# Altium PCB Lighting_Control_Board.PcbDoc (part 2 of 2) (continued)
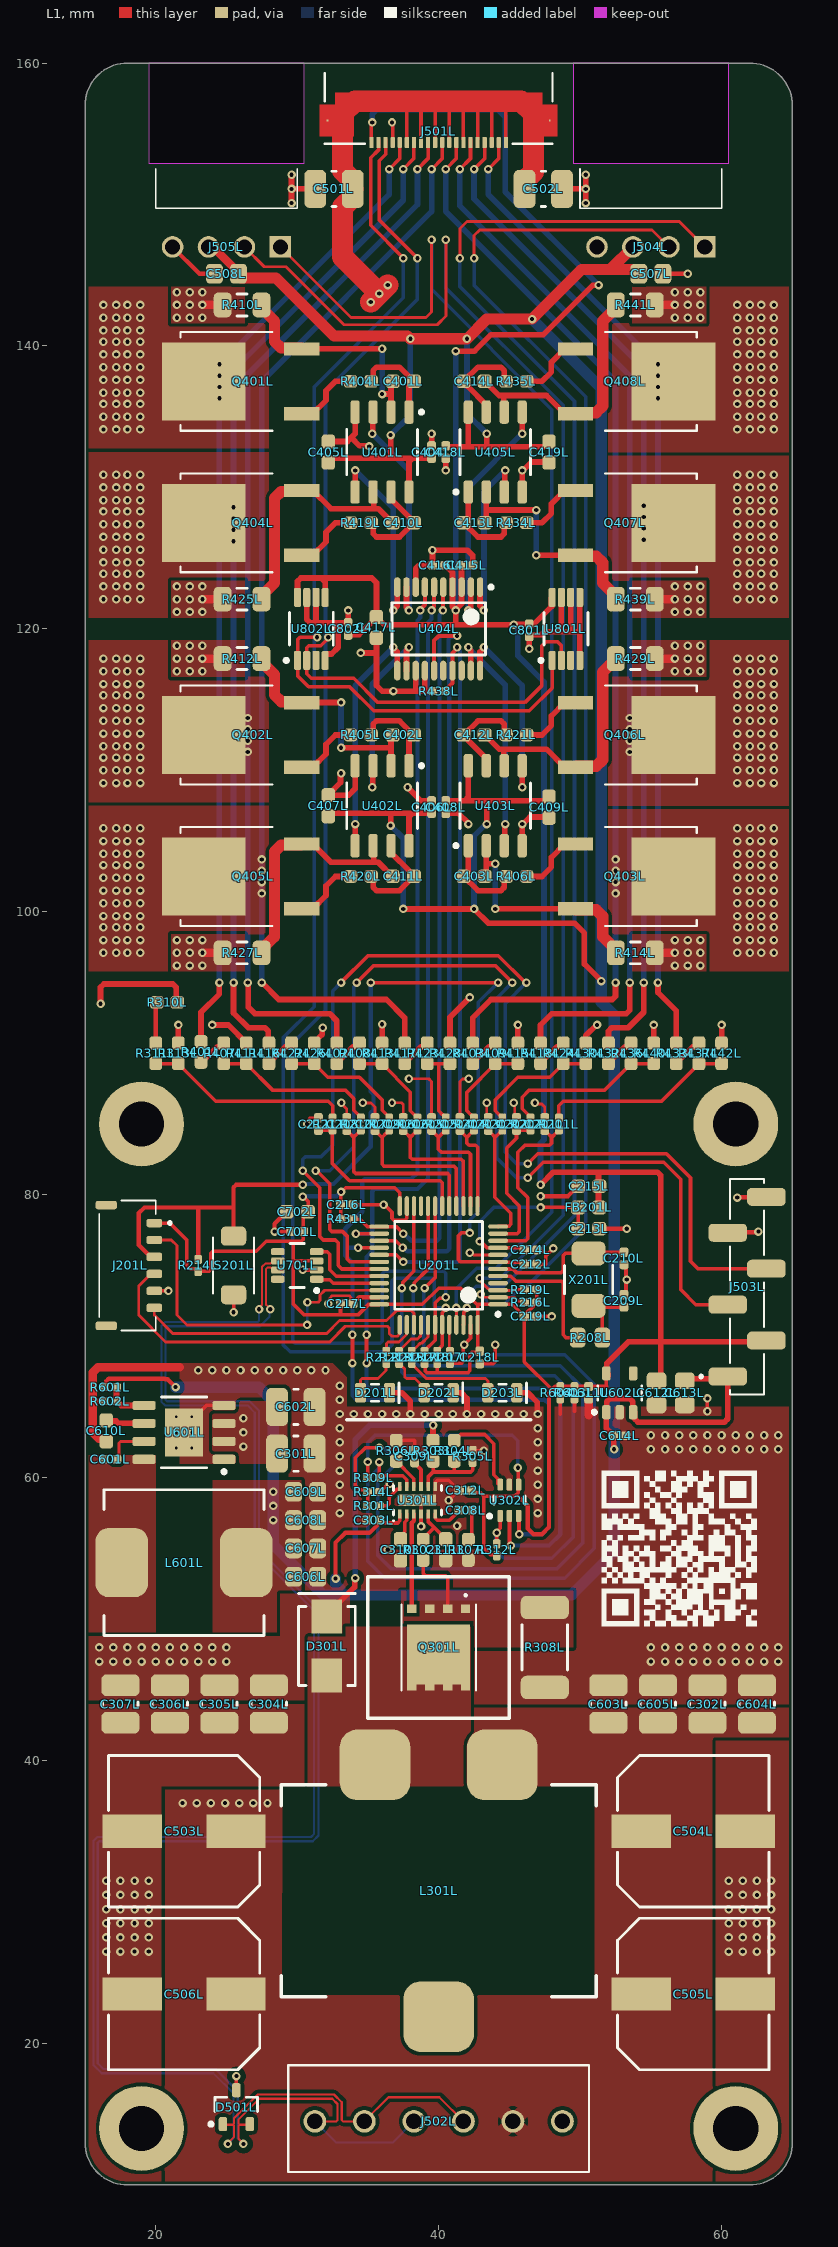
[diagram p0: L1 view]
## Nets (pads, with @x,y where several pads share a name; then routed paths per layer and width w, separated by ;. In a path a pad name is that pad's centre, name@x,y a point inside that pad or via, vN(x,y) a via of type N, cw(c..) or ccw(c..) an arc to the next point about the centre after c; other vN are vias at no path point) (continued)
CC_VSENSE_8: R201L.1 R437L.1 R442L.2 | length 13.6
  L1 w0.25: R201L.1@48.5,85.425 48.5,86.3 48.8,86.6 55.75,86.6 58.4,89.25 R437L.1@58.4,89.275 R442L.2@60,89.275
DAC_C\S\: R431L.1 U201L.25 U404L.5 | length 53
  L1 w0.25: R431L.1@33.925,78.3 33.966,78.259 34.434,78.259 34.943,77.75 37,77.75 v1(37.5,77.25)
  L1 w0.3: v1(40.3,121.3) 40.313,121.313 40.313,122.937 U404L.5@40.325,122.95
  L4 w0.3: v1(37.5,77.25) 37.561,77.25 38.061,76.75 39.874,76.75 40.05,76.926 40.05,120.969 40.3,121.219 v1(40.3,121.3)
DAC_L\D\A\C\: U201L.27 U404L.15 | length 53
  L1 w0.25: U201L.27@35.8,76.75 35.81,76.74 36.96,76.74 v1(37.45,76.25)
  L1 w0.3: U404L.15@39.675,117.05 39.675,119.175 40,119.5 v1(41.3,119.5)
  L4 w0.3: v1(37.45,76.25) 37.531,76.25 37.781,76 40.574,76 40.75,76.176 40.75,117.95 40.7,118 40.7,119.267 40.876,119.443 41.243,119.443 v1(41.3,119.5)
DAC_R\E\S\E\T\: R438L.2 U201L.29 U404L.17 | length 52.8
  L1 w0.25: U201L.29@35.8,75.75 37,75.75 v1(37.5,75.25)
  L1 w0.3: R438L.2@40.425,115.6 40.475,115.6 40.6,115.725 40.6,115.775 40.977,116.152 U404L.17@40.977,117.048 ; U404L.17@40.975,117.05 40.975,118.294 41.3,118.619 v1(41.3,118.7)
  L4 w0.3: v1(37.5,75.25) 41.324,75.25 41.5,75.426 41.5,118.419 41.3,118.619 v1(41.3,118.7)
Fan_1_PWM: J504L.1 U201L.46 | length 103.5
  L1 w0.2: v1(41.5,146.2) 41.5,148.3 42,148.8 57.01,148.8 J504L.1@58.81,147
  L1 w0.25: U201L.46@41.75,70.8 41.76,70.81 41.76,71.665 42,71.905 v1(42,72)
  L4 w0.25: v1(41.5,146.2) 41.5,144.2 49.6,136.1 49.6,78.513 44.612,73.525 42.662,73.525 42,72.863 v1(42,72)
Fan_1_Tach: J504L.2 R216L.1 U201L.2 | length 101.2
  L1 w0.2: v1(42.5,146.2) 42.5,147.8 42.9,148.2 55.07,148.2 J504L.2@56.27,147 ; v1(42.963,72.95) 43.008,72.95 43.2,72.758 44.192,72.758 U201L.2@44.2,72.75 45.35,72.75 45.616,72.484 45.991,72.484 R216L.1@46.075,72.4
  L4 w0.2: v1(42.963,72.95) 43.397,72.517 43.397,72.393 43.54,72.25 44.6,72.25 45.55,73.2
  L4 w0.25: v1(42.5,146.2) 42.5,144.3 50.4,136.4 50.4,77.687 45.913,73.2 45.55,73.2
Fan_2_PWM: J505L.1 U201L.45 | length 101.8
  L1 w0.2: J505L.1@28.81,147 33.81,142 39.1,142 39.5,142.4 v1(39.5,147.5) ; U201L.45@41.25,70.8 v1(41.25,72)
  L4 w0.25: v1(39.5,147.5) 39.5,144 48,135.5 48,78.75 44.05,74.8 42.7,74.8 41.25,73.35 v1(41.25,72)
Fan_2_Tach: J505L.2 R219L.1 U201L.3 | length 105.9
  L1 w0.2: J505L.2@26.27,147 27.67,145.6 29.2,145.6 33.3,141.5 39.9,141.5 40.517,142.117 40.517,147.483 v1(40.5,147.5) ; v1(42.9,74.1) 42.977,74.023 42.977,73.858 43.484,73.35 43.523,73.35 43.623,73.25 U201L.3@44.2,73.25 ; U201L.3@44.218,73.232 45.332,73.232 45.4,73.3 R219L.1@46.075,73.3
  L4 w0.25: v1(40.5,147.5) 40.5,144.1 48.8,135.8 48.8,93.9 48.8,78.55 44.35,74.1 v1(42.9,74.1)
GND: C201L.1 C202L.1 C203L.1 C204L.1 C205L.1 C206L.1 C207L.1 C208L.1 C209L.1 C210L.1 C211L.1 C212L.1 C213L.1 C214L.1 C215L.1 C216L.1 C217L.1 C218L.1 C219L.1 C301L.1 C302L.1 C303L.1 C304L.1 C305L.1 C306L.1 C307L.1 C309L.1 C310L.1 C311L.1 C312L.1 C404L.1 C405L.1 C406L.1 C407L.1 C408L.1 C409L.1 C415L.1 C416L.1 C417L.1 C418L.1 C419L.1 C501L.1 C502L.1 C503L.2 C504L.2 C505L.2 C506L.2 C507L.1 C508L.1 C602L.1 C603L.1 C604L.1 C605L.1 C606L.1 C607L.1 C608L.1 C609L.1 C610L.1 C611L.1 C612L.1 C613L.1 C614L.1 C701L.1 C702L.1 C801L.1 C802L.1 D201L.2 D202L.2 D203L.2 D501L.3 J201L.5 J501L.17 J502L.6 J503L.5 J503L.6 J504L.4 J505L.4 R207L.2 R305L.1 R306L.1 R307L.1 R308L.1 R313L.1 R314L.1 R410L.1 R411L.1 R412L.1 R413L.1 R414L.1 R415L.1 R425L.1 R426L.1 R427L.1 R428L.1 R429L.1 R430L.1 R438L.1 R439L.1 R440L.1 R441L.1 R442L.1 R602L.1 R603L.1 R604L.1 S201L.2 U201L.8 U201L.23 U201L.35 U201L.47 U301L.4 U301L.7 U301L.13 U302L.5 U401L.4 U402L.4 U403L.4 U404L.8 U404L.13 U404L.14 U405L.4 U601L.1 U601L.4 U601L.9 U602L.2 U701L.2 U801L.4 U801L.5 U801L.6 U801L.7 U802L.4 U802L.6 U802L.7 | length 205.4
  L1 w0.2: v1(30.7,85) 30.777,85.077 30.777,85.295 30.921,85.44 C211L.1@31.5,85.44 ; v1(32.2,72.3) 32.274,72.374 32.274,72.674 32.46,72.86 33.692,72.86 33.809,72.743 33.809,72.506 33.815,72.5 33.94,72.5 C217L.1@33.94,72.3 ; v1(33.126,86.5) 33.126,86.444 33.5,86.07 C208L.1@33.5,85.44 ; v1(34.626,86.5) 34.653,86.474 35.226,86.474 35.5,86.2 C207L.1@35.5,85.44 ; v1(36.7,86.5) 37.383,86.5 37.5,86.383 C206L.1@37.5,85.44 ; v1(37.9,88.2) 39.3,88.2 39.5,88 C205L.1@39.5,85.44 ; C204L.1@41.5,85.44 41.5,88 41.689,88.189 42.115,88.189 v1(42.126,88.2) ; v1(42.2,75.9) 42.308,75.9 42.458,75.75 U201L.8@44.2,75.75 ; v1(43.4,86.5) 43.4,85.54 C203L.1@43.5,85.44 ; v1(45.3,86.5) 45.377,86.423 45.377,85.563 C202L.1@45.5,85.44 ; v1(46.8,86.5) 46.877,86.423 47.287,86.423 47.5,86.21 C201L.1@47.5,85.44
  L1 w0.25: J201L.5@19.9,73.2 v1(20.9,73.2) ; U601L.9@22,63.2 22,63.545 23.56,65.105 U601L.4@24.825,65.105 ; v1(25.5,71.7) S201L.2@25.5,72.925 ; D501L.3@25.515,17.021 25.688,16.848 D501L.3@25.688,16.662 ; D501L.3@25.7,16.7 v1(25.7,17.7) ; C216L.1@33.94,79.3 36.169,79.3 36.7,78.769 36.7,78.346 36.846,78.2 37.604,78.2 37.75,78.346 U201L.23@37.75,79.2 ; R314L.1@35.825,59 35.882,59 36.369,59.487 36.491,59.487 v1(36.558,59.554) ; v1(36.7,155.8) 36.75,155.75 J501L.17@36.75,154.6 ; R306L.1@37,62.625 37.02,62.645 38.255,62.645 38.3,62.6 C309L.1@38.3,61.94 ; U301L.4@38.75,57.43 v1(38.751,56.55) v1(38.751,56.55) ; U301L.7@39.75,59.37 39.75,59.654 39.896,59.8 39.9,59.8 39.92,59.82 40.72,59.82 C312L.1@41.44,59.1 ; v1(40.7,58.4) 40.724,58.4 41.424,59.1 C312L.1@41.44,59.1 ; R207L.2@40.8,68.075 41.587,68.075 41.733,68.221 41.733,69.333 v1(41.8,69.4) 42.25,69.85 U201L.47@42.25,70.8 ; C312L.1@41.46,59.1 C312L.1@41.44,59.1 ; R305L.1@42.4,61.925 42.413,61.912 43.188,61.912 v1(43.2,61.9) ; C218L.1@42.9,68.06 43.854,68.06 44,68.206 v1(44,69.4) ; C219L.1@46.94,71.4 v1(48,71.4) ; C212L.1@46.94,75.1 47.57,75.1 47.57,75.67 ; C214L.1@46.94,76.1 47.036,76.004 47.424,76.004 47.57,75.858 47.57,75.67 ; v1(48.1,76.2) 47.57,75.67 ; 48.6,64.5 R604L.1@48.6,65.575 ; 49.6,64.7 R603L.1@49.6,65.575 ; v1(59,64.7) v1(59,65.6)
  L1 w0.3: J505L.4@21.19,147 23.09,145.1 C508L.1@24.15,145.1 ; C702L.1@29.25,78.8 28.4,77.95 v1(28.4,77.4) C701L.1@29.56,77.4 ; v1@30.412,74.688 U701L.2@31.363,74.688 ; C217L.1@33.94,72.3 33.957,72.3 34.117,72.46 34.117,72.477 34.39,72.75 U201L.35@35.8,72.75 ; v1(47.2,79.9) 49.15,79.9 C215L.1@49.85,80.6 ; C213L.1@51.35,77.6 v1(53.3,77.6) ; C209L.1@53.1,72.94 53.243,73.083 53.243,73.943 v1(53.3,74) 53.243,74.057 53.243,74.917 C210L.1@53.1,75.06 ; C507L.1@55.85,145.1 v1(57.6,145.1) ; J503L.5@60.135,77.31 60.18,77.355 62.555,77.355 v1(62.6,77.4) ; v1(61.1,79.8) 61.125,79.825 62.84,79.825 J503L.6@62.865,79.85
  L1 w0.4: 15.554,65.311 15.643,65.4 R602L.1@16.375,65.4 ; R313L.1@21.6,90.725 v1(21.6,92) ; v1(24,92) 25.136,92 26.4,90.736 R411L.1@26.4,90.725 ; v1(29.6,150.1) v1(29.6,151.1) ; v1(29.6,152.1) v1(29.6,151.1) ; v1(30.4,74.7) v1@30.412,74.688 ; U802L.7@30.675,122.225 30.675,120.674 30.909,120.44 31.4,120.44 ; R426L.1@31.2,90.725 31.2,90.764 31.762,91.325 31.762,91.762 v1(31.8,91.8) ; C501L.1@31.275,151.1 v1(29.6,151.1) ; U802L.6@31.325,122.225 31.325,120.515 31.4,120.44 ; U701L.2@31.363,74.688 U701L.2@31.375,74.675 ; U802L.4@31.975,117.775 31.975,118.175 32.025,118.225 32.425,118.225 32.9,118.7 32.9,120.1 32.56,120.44 ; C405L.1@32.2,133.25 33.55,133.25 33.823,133.523 ; 32.7,120.44 32.56,120.44 ; v1(33.1,109.8) 33.062,109.762 33.062,109.137 32.2,108.275 C407L.1@32.2,108.25 33.65,108.25 34.095,108.695 U402L.4@34.095,110.325 ; v1(33.6,121.3) C802L.1@33.6,120.44 32.56,120.44 ; U401L.4@34.095,135.325 34.095,133.795 33.823,133.523 ; v1(34.5,118.3) 35.6,118.3 ; v1(35.1,132.9) 35.062,132.938 34.407,132.938 33.823,133.523 ; C417L.1@35.6,119.35 35.6,118.3 ; R413L.1@36,90.725 v1(36,92.05) ; D201L.2@36.525,66 37.4,66 38,65.4 v1(38,64.5) ; v1(37.8,108.8) 38.76,107.84 C406L.1@39.5,107.84 ; 38.375,115.834 U404L.13@38.375,117.05 ; U404L.8@38.375,122.95 38.375,124.266 38.609,124.5 C416L.1@39.56,124.5 v1(39.56,125.56) 42.04,125.56 42.4,125.2 42.4,124.54 C415L.1@42.44,124.5 ; U404L.14@39.025,117.05 39.025,115.667 39.092,115.6 ; C404L.1@39.5,132.94 v1(39.5,133.8) ; R438L.1@39.575,115.6 39.092,115.6 ; C408L.1@40.5,106.96 41.41,106.96 42.062,106.308 42.062,106.238 v1(42.1,106.2) ; v1(40.5,131.2) C418L.1@40.5,132.06 ; R428L.1@40.8,90.725 40.8,92.55 v1(42.2,93.95) ; D202L.2@41.025,66 41.6,66 42,65.6 v1(42,64.5) ; D203L.2@45.525,66 46.3,66 46.962,65.338 46.962,64.538 v1(47,64.5) ; R415L.1@45.6,90.725 v1(45.6,92) ; U403L.4@45.905,104.675 v1(45.905,106.205) 45.959,106.205 46.454,106.7 47.75,106.7 C409L.1@47.8,106.65 ; U405L.4@45.905,129.675 45.902,129.678 45.902,131.197 v1(45.9,131.2) 45.954,131.2 46.554,131.8 47.528,131.8 47.638,131.69 47.638,131.588 C419L.1@47.8,131.75 ; v1(46.4,118.6) C801L.1@46.4,119.46 46.4,119.48 46.51,119.59 47.29,119.59 47.5,119.8 48.7,119.8 ; U801L.7@48.675,122.225 48.675,119.825 48.7,119.8 ; C502L.1@48.725,151.1 v1(50.4,151.1) ; U801L.6@49.325,122.225 49.325,119.825 49.3,119.8 ; U801L.4@49.975,117.775 49.975,119.8 ; U801L.5@49.975,122.225 49.975,119.8 ; R430L.1@50.4,90.725 50.4,91.25 51.15,92 v1(51.2,92) ; v1(50.4,150.1) v1(50.4,151.1) ; v1(50.4,152.1) v1(50.4,151.1) ; R440L.1@55.2,90.725 v1(55.2,92) ; R442L.1@60,90.725 v1(60,92) ; 31.4,120.44 32.56,120.44 ; 35.6,118.3 35.6,116 36,115.6 v1(36.8,115.6) 39.092,115.6 ; 48.7,119.8 49.3,119.8 ; 49.3,119.8 49.975,119.8
  L1 w0.6: C610L.1@16.5,62.55 16.5,62.575 16.325,62.75 15.976,62.75 15.554,63.172 15.554,65.311 15.554,67.449 15.905,67.8 21.7,67.8 ; v1(23.3,97.1) R427L.1@24.725,97.1 R427L.1@24.725,97.35 ; v1(23.3,117.9) R412L.1@24.725,117.9 R412L.1@24.725,117.65 ; v1(23.3,122.1) R425L.1@24.725,122.1 R425L.1@24.725,122.35 ; v1(23.3,142.9) R410L.1@24.725,142.9 R410L.1@24.725,142.65 ; 50.6,64.4 C611L.1@50.6,65.56 ; R414L.1@55.275,97.35 R414L.1@55.275,97.1 v1(56.7,97.1) ; R429L.1@55.275,117.65 R429L.1@55.275,117.9 v1(56.7,117.9) ; R439L.1@55.275,122.1 v1(56.7,122.1) ; R441L.1@55.275,142.65 R441L.1@55.275,142.9 v1(56.7,142.9) ; C612L.1@55.4,65.15 C612L.1@55.5,65.15
  other v1: 16.5,26.5 17.5,26.5 18.5,26.5 19.5,26.5 60.5,26.5 61.5,26.5 62.5,26.5 63.5,26.5 16.5,27.5 17.5,27.5 18.5,27.5 19.5,27.5 60.5,27.5 61.5,27.5 62.5,27.5 63.5,27.5 16.5,28.5 17.5,28.5 18.5,28.5 19.5,28.5 60.5,28.5 61.5,28.5 62.5,28.5 63.5,28.5 16.5,29.5 17.5,29.5 18.5,29.5 19.5,29.5 60.5,29.5 61.5,29.5 62.5,29.5 63.5,29.5 16.5,30.5 17.5,30.5 18.5,30.5 19.5,30.5 60.5,30.5 61.5,30.5 62.5,30.5 63.5,30.5 16.5,31.5 17.5,31.5 18.5,31.5 19.5,31.5 60.5,31.5 61.5,31.5 62.5,31.5 63.5,31.5 55,47 56,47 57,47 58,47 59,47 60,47 61,47 62,47 63,47 64,47 55,48 56,48 57,48 58,48 59,48 60,48 61,48 62,48 63,48 64,48 36.4,54.9 41.3,56.6 33,57.5 47,57.5 33,58.5 47,58.5 33,59.5 47,59.5 33,60.5 47,60.5 33,61.5 47,61.5 55,62 56,62 57,62 58,62 59,62 60,62 61,62 62,62 63,62 64,62 33,62.5 47,62.5 55,63 56,63 57,63 58,63 59,63 60,63 61,63 62,63 63,63 64,63 33,63.5 47,63.5 33,64.5 34,64.5 35,64.5 36,64.5 37,64.5 39,64.5 40,64.5 41,64.5 43,64.5 44,64.5 45,64.5 46,64.5 33,65.5 33,66.5 23,67.6 24,67.6 25,67.6 26,67.6 27,67.6 28,67.6 29,67.6 30,67.6 31,67.6 32,67.6 36.1,79.3 21.5,96.2 22.4,96.2 23.3,96.2 56.7,96.2 57.6,96.2 58.5,96.2 21.5,97.1 22.4,97.1 57.6,97.1 58.5,97.1 21.5,98 22.4,98 23.3,98 56.7,98 57.6,98 58.5,98 21.5,117 22.4,117 23.3,117 56.7,117 57.6,117 58.5,117 21.5,117.9 22.4,117.9 57.6,117.9 58.5,117.9 21.5,118.8 22.4,118.8 23.3,118.8 56.7,118.8 57.6,118.8 58.5,118.8 21.5,121.2 22.4,121.2 23.3,121.2 56.7,121.2 57.6,121.2 58.5,121.2 21.5,122.1 22.4,122.1 57.6,122.1 58.5,122.1 21.5,123 22.4,123 23.3,123 56.7,123 57.6,123 58.5,123 21.5,142 22.4,142 23.3,142 56.7,142 57.6,142 58.5,142 21.5,142.9 22.4,142.9 57.6,142.9 58.5,142.9 21.5,143.8 22.4,143.8 23.3,143.8 56.7,143.8 57.6,143.8 58.5,143.8
  other v2: 21.45,62.1 22.55,62.1 21.45,63.2 22.55,63.2 21.45,64.3 22.55,64.3
HVIN: C301L.2 C302L.2 C503L.1 C504L.1 C505L.1 C506L.1 C602L.2 C603L.2 C604L.2 C605L.2 J502L.5 L301L.1 U601L.2 U601L.3
  other v1: 21.9,37 22.9,37 23.9,37 24.9,37 25.9,37 26.9,37 27.9,37 26.2,62.2 26.2,63.2 26.2,64.2
I2C1_SCL: J501L.18 R217L.1 U201L.42 U801L.2 U802L.2 | length 139.2
  L1 w0.25: v1(32.2,119.4) 32.2,119.346 31.654,118.8 30.821,118.8 30.675,118.654 U802L.2@30.675,117.775 30.675,116.825 31,116.5 34,116.5 35.7,114.8 46.1,114.8 47.3,116 47.3,118.8 47.6,119.1 48.4,119.1 48.675,118.825 U801L.2@48.675,117.775 ; J501L.18@36.25,154.6 36.25,153.55 35.8,153.1 35.8,148.9 v1(38.5,146.2) ; R217L.1@39,68.925 39,68.975 39.75,69.725 U201L.42@39.75,70.8 39.75,72.369 40.064,72.683 40.433,72.683 v1(40.5,72.75)
  L4 w0.25: v1(38.5,146.2) 38.5,143.3 32,136.8 32,119.4 32,93.05 29.7,90.75 29.7,69.646 29.846,69.5 35.854,69.5 36,69.646 36,74.4 36.2,74.6 40.354,74.6 40.5,74.454 v1(40.5,72.75)
I2C1_SDA: J501L.19 R218L.1 U201L.43 U801L.1 U802L.1 | length 137.3
  L1 w0.25: v1(31.4,119.4) 30.2,119.4 30.025,119.225 U802L.1@30.025,117.775 30.025,116.675 30.8,115.9 33.7,115.9 35.4,114.2 46.4,114.2 48.025,115.825 U801L.1@48.025,117.775 ; J501L.19@35.75,154.6 35.75,153.85 35.2,153.3 35.2,148.521 v1@37.5,146.221 ; R218L.1@39.9,68.925 39.9,68.982 40.2,69.282 40.2,69.3 40.25,69.35 U201L.43@40.25,70.8 40.26,70.81 40.26,71.665 40.5,71.905 v1(40.5,72)
  L4 w0.25: v1(37.5,146.2) 37.5,143.4 31.2,137.1 31.2,119.4 31.2,93.3 29,91.1 29,69.4 29.5,68.9 36.2,68.9 36.7,69.4 36.7,73.9 36.9,74.1 39.554,74.1 39.7,73.954 39.7,72.15 39.85,72 v1(40.5,72)
LED_1: R215L.1 U201L.41 | length 2.4
  L1 w0.2: R215L.1@38.1,68.955 38.272,69.127 38.335,69.127 38.475,69.267 38.475,69.273 38.702,69.5 38.8,69.5 39.25,69.95 U201L.41@39.25,70.8
LED_1_A: D203L.1 R215L.2 | length 6.7
  L1 w0.2: R215L.2@38.1,68.075 38.1,68.025 39.125,67 43.3,67 43.475,66.825 D203L.1@43.475,66.675 ; D203L.1@43.475,66 D203L.1@43.475,66.246
  L1 w0.25: D203L.1@43.506,66.175 D203L.1@43.775,66.444
LED_2: R213L.1 U201L.40 | length 2.8
  L1 w0.2: R213L.1@37.2,68.925 37.2,68.955 38.045,69.8 38.5,69.8 38.732,70.032 38.732,70.782 U201L.40@38.75,70.8
LED_2_A: D202L.1 R213L.2 | length 3.2
  L1 w0.2: R213L.2@37.2,68.075 37.2,68.045 37.395,67.85 37.425,67.85 37.6,67.675 37.6,67.117 37.717,67 38.317,67 38.975,66.342 D202L.1@38.975,66
LED_3: R212L.1 U201L.38 | length 2.9
  L1 w0.2: R212L.1@36.3,68.925 36.3,69.483 36.417,69.6 37.2,69.6 37.731,70.131 37.731,70.781 U201L.38@37.75,70.8
LED_3_A: D201L.1 R212L.2 | length 3.5
  L1 w0.2: D201L.1@34.475,66 34.475,66.883 34.592,67 35.7,67 36.267,67.567 36.267,68.042 R212L.2@36.3,68.075
LED_VBUS: C304L.2 C305L.2 C306L.2 C307L.2 C501L.2 C502L.2 D301L.1 J501L.1 J501L.3 J501L.5 J501L.7 J501L.9 J501L.11 J501L.13 J501L.15 J501L.P1 J501L.P2 R303L.2 R310L.2 | length 86.1
  L1 w0.25: 37.7,157.3 37.75,157.25 J501L.15@37.75,154.6 ; 38.7,157.3 38.75,157.25 J501L.13@38.75,154.6 ; J501L.11@39.75,154.6 39.75,157.25 39.8,157.3 ; 40.7,157.3 40.75,157.25 J501L.9@40.75,154.6 ; 41.7,157.3 41.75,157.25 J501L.7@41.75,154.6 ; 42.6,157.3 42.75,157.15 J501L.5@42.75,154.6 ; 43.5,157.3 43.75,157.05 J501L.3@43.75,154.6 ; 44.4,157.3 44.75,156.95 J501L.1@44.75,154.6
  L1 w0.4: v1(16.1,93.5) 16.1,94.666 16.334,94.9 21.207,94.9 21.442,94.666 21.442,93.683 R310L.2@21.525,93.6 ; D301L.1@32,50.2 32,50.325 32.875,51.2 33,51.2 34.062,52.262 34.062,52.862 v1(34.1,52.9) ; R303L.2@39.6,62.625 v1(39.6,63.7)
  L1 w1.5: C501L.2@33.9,151.1 33.9,151.7 33.2,152.4 33.2,156.421 34.079,157.3 37.7,157.3 38.7,157.3 39.8,157.3 40.7,157.3 41.7,157.3 42.6,157.3 43.5,157.3 44.4,157.3 45.821,157.3 46.7,156.421 46.7,152.3 46.075,151.675 C502L.2@46.075,151.1 ; C501L.2@33.925,151.1 33.9,151.075 33.9,150.5 33.2,149.8 33.2,146.3 v1(35.8,143.7) ; v1(35.2,143.1) v1(35.8,143.7) ; v1(36.4,144.3) v1(35.8,143.7)
  L4 w0.4: v1(34.1,52.9) 34.1,62.7 35.1,63.7 v1(39.6,63.7)
  other v1: 16,47 17,47 18,47 19,47 20,47 21,47 22,47 23,47 24,47 25,47 16,48 17,48 18,48 19,48 20,48 21,48 22,48 23,48 24,48 25,48
MCU_BOOT_0: R207L.1 U201L.44 | length 1.9
  L1 w0.2: U201L.44@40.75,70.8 40.75,68.975 R207L.1@40.8,68.925
MCU_HSE_IN: R208L.2 U201L.5 | length 9.6
  L1 w0.25: U201L.5@44.2,74.25 45.096,74.25 45.446,73.9 48.654,73.9 48.8,73.754 48.8,70.1 49,69.9 R208L.2@49.825,69.9
MCU_HSE_OUT: C210L.2 U201L.6 X201L.2 | length 10.2
  L1 w0.25: U201L.6@44.2,74.75 45.25,74.75 45.5,74.5 48.654,74.5 48.8,74.646 48.8,75.704 48.946,75.85 X201L.2@50.6,75.85 50.69,75.94 C210L.2@53.1,75.94
MCU_HSE_P1: C209L.2 R208L.1 X201L.1 | length 5.5
  L1 w0.25: R208L.1@51.575,70.2 51.575,71.363 51.49,71.448 51.49,72.04 51.575,72.125 51.55,72.15 51.49,72.15 50.69,72.15 X201L.1@50.6,72.15 50.69,72.06 51.55,72.06 C209L.2@53.1,72.06
MCU_VDDA: C213L.2 C214L.2 FB201L.2 U201L.9 | length 13.8
  L1 w0.25: v1(42.9,76.7) 42.974,76.7 43.414,76.26 44.19,76.26 U201L.9@44.2,76.25 45.91,76.25 C214L.2@46.126,76.034 ; v1(47.2,79.1) 49.85,79.1 49.855,79.095 49.855,77.605 C213L.2@49.85,77.6
  L4 w0.25: v1(42.9,76.7) 42.9,78.1 43.9,79.1 v1(47.2,79.1)
NRST: C212L.2 J201L.3 R214L.1 S201L.1 U201L.7 | length 75.2
  L1 w0.25: v1(35.2,95) v1(44.2,95) ; v1(42.2,77.3) 41.6,77.3 41.4,77.1 41.4,75.396 41.546,75.25 U201L.7@44.2,75.25 44.21,75.24 45.92,75.24 C212L.2@46.06,75.1
  L1 w0.3: J201L.3@19.9,75.6 19.65,75.6 18.8,76.45 18.8,78.7 19.2,79.1 23,79.1 ; R214L.1@23,75.425 23,79.1 ; S201L.1@25.5,77.075 25.5,79.1 ; v1(30.4,80.7) 25.676,80.7 25.5,80.524 25.5,79.1 ; 23,79.1 25.5,79.1
  L4 w0.25: v1(42.2,77.3) 42.2,78.2 42.8,78.8 42.8,93.6 v1(44.2,95)
  L4 w0.3: v1(30.4,80.7) 30.457,80.757 32.557,80.757 35.2,83.4 35.2,85.8 35.4,86 35.4,87.1 35.2,87.3 v1(35.2,95)
PS_BOOT: C601L.2 U601L.7 | length 3
  L1 w0.2: C601L.2@17.24,61.3 17.4,61.46 17.4,62.448 17.517,62.565 U601L.7@19.175,62.565
PS_FB: R601L.1 R602L.2 U601L.5 | length 3.3
  L1 w0.4: R602L.2@17.225,65.4 R601L.1@17.225,66.4 17.275,66.4 R601L.1@17.225,66.45 ; R602L.2@17.275,65.4 17.57,65.105 U601L.5@19.175,65.105 U601L.5@19.08,65.2
PS_SW: C601L.1 L601L.1 U601L.8
PS_VCC: C610L.2 U601L.6 | length 2.8
  L1 w0.4: C610L.2@16.5,64.05 16.55,64 17.2,64 17.365,63.835 U601L.6@19.175,63.835
SWCLK: J201L.4 U201L.37 | length 24.4
  L1 w0.2: J201L.4@19.9,74.4 19.65,74.4 18.8,73.55 18.8,71.5 20.7,69.6 32.3,69.6 33.4,70.7 36.383,70.7 36.5,70.583 36.5,70.2 36.7,70 37.083,70 37.231,70.148 37.231,70.781 U201L.37@37.25,70.8
SWDIO: J201L.2 U201L.34 | length 23.4
  L1 w0.2: J201L.2@19.9,76.8 21.1,76.8 21.5,76.4 21.5,71.5 22.2,70.8 v1(30.7,70.8) ; v1(30.726,72.4) 31.483,72.4 31.6,72.517 31.6,72.9 31.95,73.25 U201L.34@35.8,73.25
  L4 w0.2: v1(30.7,70.8) 30.713,70.813 30.713,72.387 v1(30.726,72.4)
SWO: J201L.6 U201L.39 | length 20.9
  L1 w0.2: J201L.6@19.9,72 19.9,71.5 21.2,70.2 32.091,70.2 32.991,71.1 36.312,71.1 37.012,71.8 38.071,71.8 38.25,71.621 U201L.39@38.25,70.8
UART_RX: J503L.4 U201L.31 | length 79.2
  L1 w0.25: v1(30.4,81.7) 31.6,80.5 31.6,77.046 31.846,76.8 32.7,76.8 32.9,76.6 32.9,75 33.15,74.75 U201L.31@35.8,74.75 ; v1(33.1,95) 35,96.9 44.219,96.9 46.119,95 v1(46.2,95) ; v1(46.3,82.2) 47,82.9 56.1,82.9 57.8,81.2 57.8,75.3 58.33,74.77 J503L.4@62.865,74.77
  L4 w0.25: v1(30.4,81.7) 30.4,82.5 30.6,82.7 31.7,82.7 32.5,83.5 32.5,94.4 v1(33.1,95) ; v1(46.2,95) 44.7,93.5 44.7,83 45.5,82.2 v1(46.3,82.2)
UART_TX: J503L.3 U201L.30 | length 75.7
  L1 w0.25: v1(31.3,81.7) 31.379,81.7 32.3,80.779 32.3,77.546 32.446,77.4 33.2,77.4 33.55,77.05 33.55,75.45 33.75,75.25 U201L.30@35.8,75.25 ; v1(34.2,95) 35.4,96.2 44,96.2 v1(45.2,95) ; v1(46.3,81.2) 47.4,82.3 55.9,82.3 57.1,81.1 57.1,73.3 58.17,72.23 J503L.3@60.135,72.23
  L4 w0.25: v1(31.3,81.7) 32.3,81.7 34,83.4 34,94.705 34.2,94.905 v1(34.2,95) ; v1(45.2,95) 44.1,93.9 44.1,82.6 45.5,81.2 v1(46.3,81.2)
pads on no net: J201L.MP1 J201L.MP2 L301L.3 U201L.4 U201L.21 U404L.16 U404L.18 U602L.4 U701L.5 U701L.8 U801L.3 U802L.3

## Polygon pours and split planes (outlines as drawn)
LED_VBUS on L1 "LED_VBUS_L01_P003" (solid, pour order 3): 15,48.8 28.8,48.8 28.8,51.8 33.7,51.8 33.7,48.9 30.8,48.9 30.8,44 15,44
Boost_Diode_A on L1 "NONET_L01_P-001" (solid, pour order 2): 30.75,38.2 30.75,41.5 30.75,49.45 42.25,49.45 42.25,38.2
GND on L1 "GND_L01_P067" (solid, remove dead copper, pour order 67): 33.5,65 33.7,65 47.5,65 47.5,52 46.5,52 33.5,52 33.5,51.8 30.3,51.8 30.3,59.8 29.4,59.8 29.4,61 21.7,61 21.7,68.1 32.5,68.1 33.5,67.1
GND on L1 "NONET_L01_P-001" (solid, pour order 62): 42.23,44 42.23,65 65,65 65,44
HVIN on L1 "HVIN_L01_P064" (solid, pour order 64): 59.6,41.4 65,41.4 65,44 30.5,44 30.5,38.2 20.4,38.2 20.4,10 59.6,10
HVIN on L1 "HVIN_L01_P000" (solid, pour order 0): 24,65.4 29.3,65.4 29.3,61 24,61
Boost_NMOS_Source on L1 "NONET_L01_P-001" (solid, pour order 61): 37.35,48 37.35,52 49.5,52 49.5,48
PS_SW on L1 "PS_SW_L01_P065" (solid, pour order 65): 15,48.8 20,48.8 20,61.6 15,61.6
GND on L1 "GND_L01_P001" (solid, pour order 1): 20.4,38.2 30.5,38.2 30.5,44 15,44 15,10 20.4,10
GND on L1 "NONET_L01_P-001" (solid, pour order 5): 53.7,123.4 58.9,123.4 58.9,120.8 53.7,120.8
GND on L1 "NONET_L01_P-001" (solid, pour order 6): 53.7,119.2 58.9,119.2 58.9,116.6 53.7,116.6
GND on L1 "NONET_L01_P-001" (solid, pour order 7): 53.7,98.4 58.9,98.4 58.9,95.8 53.7,95.8
GND on L1 "NONET_L01_P-001" (solid, pour order 8): 53.7,144.2 58.9,144.2 58.9,141.6 53.7,141.6
GND on L1 "NONET_L01_P-001" (solid, pour order 9): 26.3,141.6 21.1,141.6 21.1,144.2 26.3,144.2
GND on L1 "NONET_L01_P-001" (solid, pour order 13): 26.3,120.8 21.1,120.8 21.1,123.4 26.3,123.4
GND on L1 "NONET_L01_P-001" (solid, pour order 14): 26.3,116.6 21.1,116.6 21.1,119.2 26.3,119.2
GND on L1 "NONET_L01_P-001" (solid, pour order 15): 26.3,95.8 21.1,95.8 21.1,98.4 26.3,98.4
CC_DRAIN_8 on L1 "CC_DRAIN_8_L01_P016" (solid, pour order 16): 58.9,144.2 65,144.2 65,132.5 52,132.5 52,141.6 58.9,141.6
CC_DRAIN_7 on L1 "CC_DRAIN_7_L01_P017" (solid, pour order 17): 52,132.5 52,123.4 58.9,123.4 58.9,120.8 65,120.8 65,132.5
CC_DRAIN_6 on L1 "CC_DRAIN_6_L01_P018" (solid, pour order 18): 58.9,119.2 65,119.2 65,107.5 52,107.5 52,116.6 58.9,116.6
CC_DRAIN_5 on L1 "CC_DRAIN_5_L01_P019" (solid, pour order 19): 52,107.5 52,98.4 58.9,98.4 58.9,95.8 65,95.8 65,107.5
CC_DRAIN_4 on L1 "CC_DRAIN_4_L01_P055" (solid, pour order 55): 21.1,95.8 15,95.8 15,107.5 28,107.5 28,98.4 21.1,98.4
CC_DRAIN_3 on L1 "CC_DRAIN_3_L01_P056" (solid, pour order 56): 28,107.5 28,116.6 21.1,116.6 21.1,119.2 15,119.2 15,107.5
CC_DRAIN_2 on L1 "CC_DRAIN_2_L01_P057" (solid, pour order 57): 21.1,120.8 15,120.8 15,132.5 28,132.5 28,123.4 21.1,123.4
CC_DRAIN_1 on L1 "CC_DRAIN_1_L01_P060" (solid, pour order 60): 28,132.5 28,141.6 21.1,141.6 21.1,144.2 15,144.2 15,132.5
GND on L1 "GND_L01_P063" (solid, pour order 63): 59.6,41.4 59.6,10 65,10 65,41.4
5V on L1 "5V_L01_P066" (solid, pour order 66): 30.3,59.8 24.029,59.8 24.029,48.81 30.3,48.81
GND on L4 "GND_L04_P071" (solid, pour order 71): 15,68 65,68 65,10 15,10 15,34.5
LED_VBUS on L4 "NONET_L01_P-001" (solid, pour order 54): 28,90.7 31.2,93.9 31.2,94.2 15,94.2 15,44 28.8,44 28.8,48.8 20,48.8 20,75 28,83
GND on L4 "NONET_L01_P-001" (solid, pour order 20): 23.7,141.6 21.1,141.6 21.1,144.2 23.7,144.2
CC_DRAIN_1 on L4 "CC_DRAIN_1_L04_P022" (solid, pour order 22): 15,144.2 23.7,144.2 23.7,132.5 15,132.5
GND on L4 "NONET_L01_P-001" (solid, pour order 25): 23.7,120.8 21.1,120.8 21.1,123.4 23.7,123.4
CC_DRAIN_2 on L4 "CC_DRAIN_2_L04_P026" (solid, pour order 26): 23.7,120.8 15,120.8 15,132.5 23.7,132.5
GND on L4 "NONET_L01_P-001" (solid, pour order 39): 23.7,116.6 21.1,116.6 21.1,119.2 23.7,119.2
CC_DRAIN_3 on L4 "CC_DRAIN_3_L04_P040" (solid, pour order 40): 15,119.2 23.7,119.2 23.7,107.5 15,107.5
GND on L4 "NONET_L01_P-001" (solid, pour order 41): 23.7,95.8 21.1,95.8 21.1,98.4 23.7,98.4
CC_DRAIN_4 on L4 "CC_DRAIN_4_L04_P042" (solid, pour order 42): 23.7,95.8 15,95.8 15,107.5 23.7,107.5
GND on L4 "NONET_L01_P-001" (solid, pour order 43): 56.3,98.4 58.9,98.4 58.9,95.8 56.3,95.8
CC_DRAIN_5 on L4 "CC_DRAIN_5_L04_P044" (solid, pour order 44): 65,95.8 56.3,95.8 56.3,107.5 65,107.5
GND on L4 "NONET_L01_P-001" (solid, pour order 45): 56.3,119.2 58.9,119.2 58.9,116.6 56.3,116.6
CC_DRAIN_6 on L4 "CC_DRAIN_6_L04_P046" (solid, pour order 46): 56.3,119.2 65,119.2 65,107.5 56.3,107.5
GND on L4 "NONET_L01_P-001" (solid, pour order 47): 56.3,123.4 58.9,123.4 58.9,120.8 56.3,120.8
CC_DRAIN_7 on L4 "CC_DRAIN_7_L04_P048" (solid, pour order 48): 65,120.8 56.3,120.8 56.3,132.5 65,132.5
GND on L4 "NONET_L01_P-001" (solid, pour order 49): 56.3,144.2 58.9,144.2 58.9,141.6 56.3,141.6
CC_DRAIN_8 on L4 "CC_DRAIN_8_L04_P050" (solid, pour order 50): 56.3,144.2 65,144.2 65,132.5 56.3,132.5
LED_VBUS on L4 "NONET_L01_P-001" (solid, pour order 52): 35.4,145.4 37.4,145.4 37.4,143.5 37.5,143.4 31.2,137.1 31.2,94.2 27.5,94.2 27.5,137.5
HVIN on L4 "HVIN_L04_P070" (solid, pour order 70): 15,34.9 31.5,34.9 31.5,50.3 31.6,50.4 27,55 27,65.4 23.2,65.4 23.2,60.2 25.3,60.2 25.3,53.6 29.1,49.8 29.1,44 15,44
GND on L3 "GND_L03_P068" (solid, pour order 68): 15,160 65,160 65,10 15,10
GND on L2 "GND_L02_P069" (solid, pour order 69): 15,160 65,160 65,10 15,10

## Other copper
L1:
  pour cut-out: 20,59.2 24,59.2 24,48.8 20,48.8
  pour cut-out: 28.95,38.2 51.05,38.2 51.05,23.4 28.9,23.4

## Silkscreen, mask and mechanical layers (free items; w line width, h text height)
Top Overlay:
  drawing of 59 lines, arcs and shapes, not listed
Board Outline:
  lines w0.01: 15,12.803 15,13 15,157 15,157.197 15.051,157.587 15.153,157.966 15.304,158.33 15.5,158.67 15.74,158.982 16.018,159.26 16.33,159.5 16.67,159.696 17.034,159.847 17.413,159.949 17.803,160 19.5,160 19.5,152.9 30.5,152.9 30.5,160 49.5,160 49.5,152.9 60.5,152.9 60.5,160 62.197,160 62.587,159.949 62.966,159.847 63.33,159.696 63.67,159.5 63.982,159.26 64.26,158.982 64.5,158.67 64.696,158.33 64.847,157.966 64.949,157.587 65,157.197 65,157 65,13 65,12.803 64.949,12.413 64.847,12.034 64.696,11.67 64.5,11.33 64.26,11.018 63.982,10.74 63.67,10.5 63.33,10.304 62.966,10.153 62.587,10.051 62.197,10 17.803,10 17.413,10.051 17.034,10.153 16.67,10.304 16.33,10.5 16.018,10.74 15.74,11.018 15.5,11.33 15.304,11.67 15.153,12.034 15.051,12.413 15,12.803